# KiCad board pcb.kicad_pcb (continued)
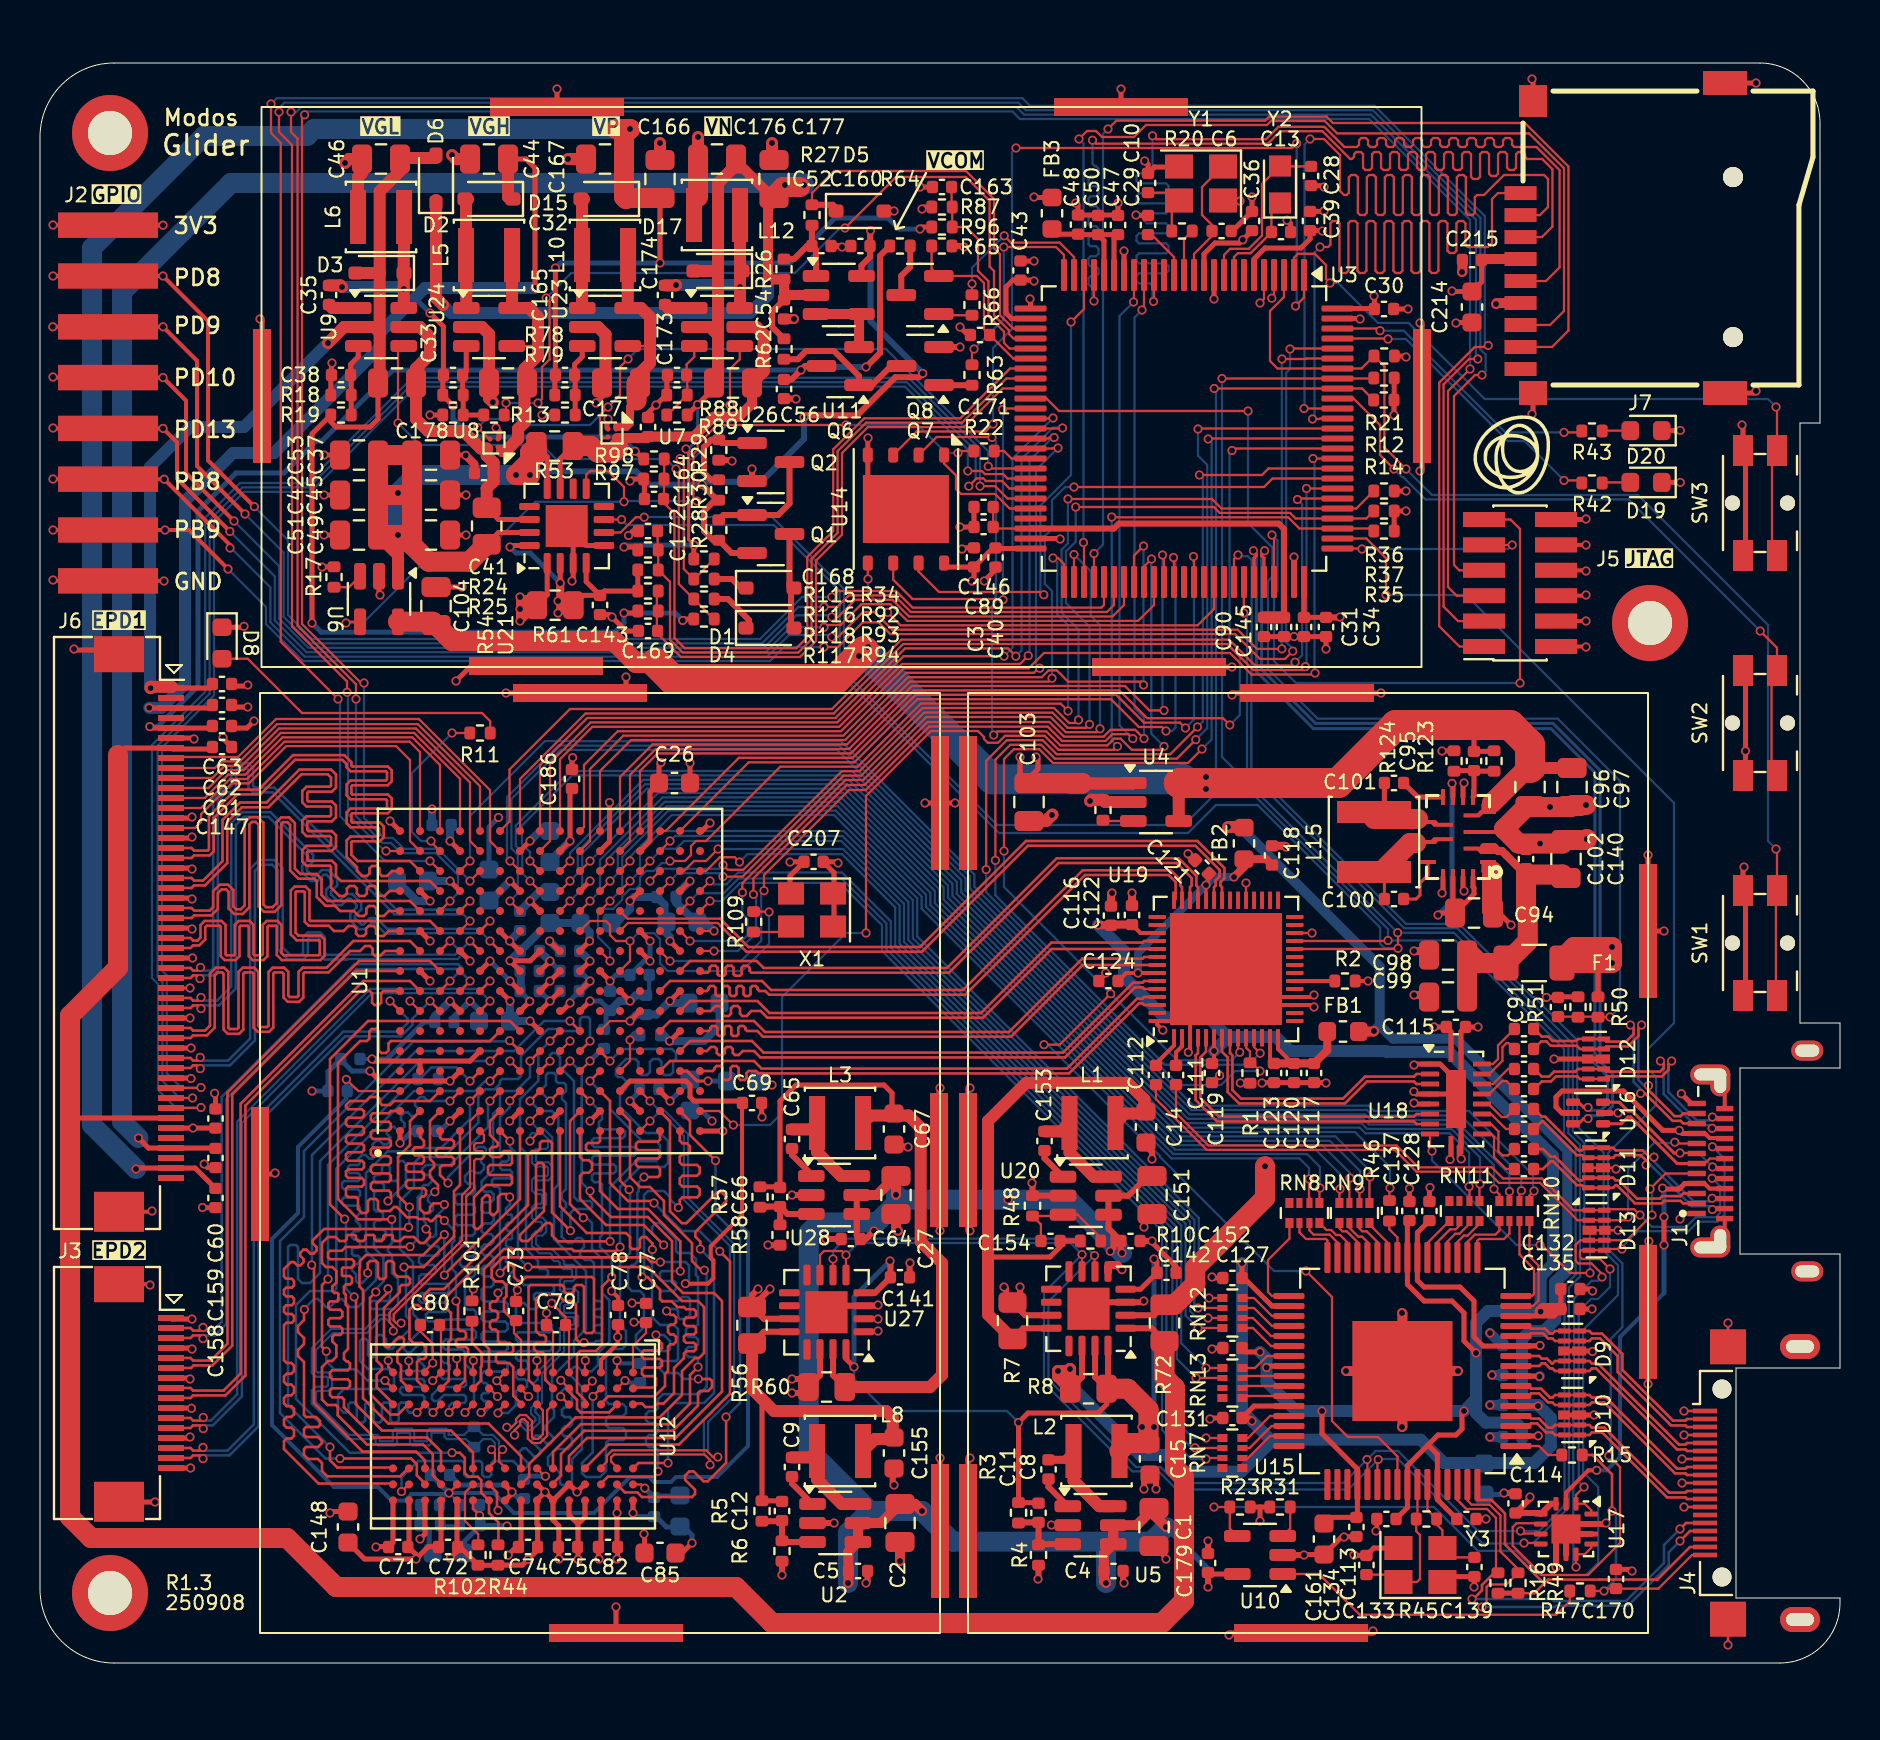
[diagram p0: board, top side]
## Routing (per net, layer and track width the routed paths; a pad name or vN(x,y) marks a point on that pad's centre or on a via; arc(x,y) is an arc through that point) (continued)
/fpga_ddr/DRAM_ADDR6: length 35.7
  Top w0.127: 18.45,8.92 18.43,8.92 v1(18.07,8.57) ; U1.H3 v1(24.5,28.1)
  Bottom w0.127: v1(24.5,28.1) 25,27.6 25.6,27.6 25.92,27.28 25.92,23.92 25.7,23.7 25.7,21.2 27.3,19.6 27.3,16.7 27.03,16.43 27.03,16.43 26.7,16.1 26.7,15.4 25.6,14.3 25.6,12.76 25.7,12.66 25.7,12.3 25.25,11.85 25.25,11.69 25.66,11.28 25.66,11.12 25.5,10.97 25.34,10.97 24.93,11.37 24.77,11.37 24.61,11.21 24.61,11.05 25.02,10.65 25.02,10.49 24.86,10.33 24.7,10.33 24.3,10.74 24.14,10.74 23.98,10.58 23.98,10.42 24.38,10.01 24.38,9.85 24.22,9.69 24.07,9.69 23.66,10.1 22.67,10.1 22.56,9.99 22.56,9.41 22.45,9.3 22.22,9.3 22.11,9.41 22.11,9.99 22,10.1 21.78,10.1 21.66,9.99 21.66,9.41 21.55,9.3 21.33,9.3 21.21,9.41 21.21,9.99 21.1,10.1 18.9,10.1 18.07,9.27 v1(18.07,8.57)
/fpga_ddr/DRAM_ADDR7: length 35.4
  Top w0.127: v1(16.39,19.5) 16.39,19.98 16.5,20.1 16.8,20.1 16.9,20 16.9,19.3 17,19.2 17.2,19.2 17.3,19.3 17.3,20 17.4,20.1 17.6,20.1 17.7,20 17.7,19.5 17.89,19.31 18.39,19.31 18.5,19.2 18.5,19 18.4,18.9 18.09,18.9 17.99,18.8 17.99,18.54 17.2,17.76 17.2,15.9 17.3,15.8 17.45,15.8 17.95,16.3 18.1,16.3 18.2,16.2 18.2,15.9 17.87,15.56 17.87,15.06 18.05,14.87 18.05,14.12 18.45,13.72 ; U1.D3 v1(20.5,28.1)
  Bottom w0.127: v1(16.39,19.5) 16.39,19.28 16.1,19 15.9,19 15.8,19.1 15.8,19.44 15.6,19.64 15.6,19.85 15.7,19.95 15.9,19.95 16,20.05 16,20.26 15.9,20.36 15.7,20.36 15.6,20.46 15.6,20.67 15.7,20.77 15.9,20.77 16,20.87 16,21.08 15.9,21.18 15.7,21.18 15.6,21.28 15.6,21.49 15.7,21.59 15.9,21.59 16,21.69 16,21.9 15.8,22.1 15.8,22.3 16,22.5 16,22.76 15.9,22.87 15.2,22.87 15.1,22.97 15.1,23.17 15.2,23.28 15.9,23.28 16,23.38 16,23.58 15.9,23.69 15.2,23.69 15.1,23.79 15.1,23.99 15.2,24.1 15.9,24.1 16,24.2 16,24.4 15.9,24.5 15.5,24.5 15.4,24.6 15.4,24.8 15.5,24.9 15.9,24.9 16,25 16,25.07 15.9,25.17 15.9,25.2 16.1,25.4 16.28,25.4 16.46,25.22 16.63,25.22 16.81,25.4 16.81,25.58 16.63,25.75 16.63,25.93 16.81,26.11 16.99,26.11 17.16,25.93 17.34,25.93 17.52,26.11 17.52,26.29 17.34,26.46 17.34,26.64 17.52,26.82 17.69,26.82 17.87,26.64 18.05,26.64 18.22,26.82 18.22,26.99 18.05,27.17 18.05,27.35 18.22,27.52 18.4,27.52 18.58,27.35 18.75,27.35 18.93,27.52 18.93,27.7 18.75,27.88 18.75,28.05 19,28.3 19.2,28.3 19.4,28.1 v1(20.5,28.1)
/fpga_ddr/DRAM_ADDR8: length 35.2
  Top w0.127: 17.65,8.97 13.92,8.97 12.2,10.7 12.2,11.09 12.33,11.22 12.56,11.22 12.7,11.36 12.7,11.63 12.56,11.76 12.33,11.76 12.2,11.9 12.2,12.17 12.33,12.3 12.56,12.3 12.7,12.44 12.7,12.71 12.56,12.84 12.33,12.84 12.2,12.98 12.2,13.25 12.33,13.38 12.56,13.38 12.7,13.52 12.7,13.79 12.56,13.92 12.33,13.92 12.2,14.06 12.2,14.33 12.33,14.46 12.56,14.46 12.7,14.6 12.7,14.87 12.56,15 12.33,15 12.2,15.14 12.2,16.9 12.31,17.01 12.59,17.01 12.7,17.12 12.7,17.34 12.59,17.45 12.31,17.45 12.2,17.56 12.2,17.78 12.31,17.89 12.59,17.89 12.7,18 12.7,18.22 12.59,18.33 12.31,18.33 12.2,18.44 12.2,18.66 12.31,18.77 12.59,18.77 12.7,18.88 12.7,19.1 12.59,19.21 12.31,19.21 12.2,19.32 12.2,19.7 12.55,20.05 12.7,20.05 12.86,19.88 13.02,19.88 13.18,20.04 13.18,20.19 13.01,20.36 13.01,20.51 13.17,20.67 13.32,20.67 13.52,20.47 13.68,20.47 13.83,20.63 13.83,20.78 13.64,20.98 13.64,21.13 14.2,21.7 18.33,21.7 18.41,21.78 ; U1.B2 18.5,27.1 18.5,25.9 17.9,25.3 17.9,23.37 v1(18.47,22.8) 18.5,22.77
  Bottom w0.127: v1(18.47,22.8) 18.47,21.84 18.41,21.78
  vias: v1(18.43,21.78)
/fpga_ddr/DRAM_ADDR9: length 35.9
  Top w0.127: 18.45,12.97 17.9,12.42 17.53,12.42 16.5,13.45 16.5,18.26 v1(16.79,18.55) ; v1(17.4,23.1) 17.54,23.24 17.54,23.51 17.44,23.62 16.65,23.62 16.54,23.73 16.54,23.94 16.65,24.05 17.44,24.05 17.54,24.16 17.54,24.37 17.44,24.48 16.65,24.48 16.54,24.59 16.54,24.8 16.65,24.91 17.44,24.91 17.54,25.02 17.54,25.23 17.44,25.34 16.65,25.34 16.54,25.45 16.54,25.66 16.65,25.77 17.44,25.77 17.54,25.88 17.54,26.09 17.44,26.2 16.65,26.2 16.54,26.31 16.54,26.52 16.65,26.63 17.44,26.63 17.54,26.74 17.54,26.95 17.44,27.06 16.65,27.06 16.54,27.17 16.54,27.38 16.65,27.49 17.44,27.49 17.54,27.6 U1.A2
  Bottom w0.127: v1(16.79,18.55) 16.79,18.69 17.17,19.07 17.17,20.3 16.7,20.77 16.7,21.09 16.81,21.2 17.19,21.2 17.3,21.32 17.3,21.55 17.19,21.66 16.81,21.66 16.7,21.78 16.7,22.01 16.81,22.12 17.03,22.12 17.15,22.24 17.15,22.47 17.03,22.58 16.81,22.58 16.7,22.7 16.7,23.5 16.8,23.6 17.1,23.6 17.2,23.7 17.2,23.9 17.1,24 16.8,24 16.7,24.1 16.7,24.3 16.8,24.4 17,24.4 17.1,24.5 17.1,24.8 17.2,24.9 17.4,24.9 17.5,24.8 17.5,24.2 17.6,24.1 17.8,24.1 17.9,24.2 17.9,25 18,25.1 18.15,25.1 18.3,24.95 18.3,24 v1(17.4,23.1)
/fpga_ddr/DRAM_ADDR10: length 35.9
  Top w0.127: v1(15.23,22.2) 14.5,22.93 14.5,30.2 16.4,32.1 23.5,32.1 U1.G6 ; 21.65,9.77 21.65,10.52 20.55,11.62 17.1,11.62 15.8,12.92 15.8,18.21 v1(15.71,18.31)
  Bottom w0.127: v1(15.23,22.2) 15.3,22.13 15.3,18.71 v1(15.71,18.31)
/fpga_ddr/DRAM_ADDR11: length 35.3
  Top w0.127: v1(13.22,17.68) 13.2,17.66 13.2,17.15 12.9,16.85 12.9,16.55 13.2,16.25 13.2,15.95 12.9,15.65 12.9,15.35 13.2,15.05 13.2,12.4 13.3,12.3 13.8,12.3 14,12.1 14,11.9 13.9,11.8 13.3,11.8 13.2,11.7 13.2,11.4 13.3,11.3 13.9,11.3 14.1,11.1 14.1,11 13.9,10.8 13.3,10.8 13.2,10.7 13.2,10.4 13.4,10.2 13.9,10.2 14.1,10 14.1,9.6 14.37,9.33 18.01,9.33 18.45,9.77 ; U1.E3 v1(21.5,28.1)
  Bottom w0.127: v1(13.22,17.68) 13.22,17.71 13.7,18.2 13.9,18.2 14.3,17.8 14.5,17.8 14.9,18.2 15.1,18.2 15.5,17.8 15.9,17.8 16.2,18.1 16.2,18.55 16.8,19.15 16.8,20.1 16.3,20.6 16.3,24.5 17.38,25.58 18.6,25.58 18.77,25.75 20.05,25.75 21.5,27.2 v1(21.5,28.1)
/fpga_ddr/DRAM_ADDR12: length 35.5
  Top w0.127: v1(18.5,20.81) 18.48,20.8 15.28,20.8 15.09,20.61 14.5,20.61 14.4,20.5 14.4,20.29 14.5,20.19 15.59,20.19 15.7,20.08 15.7,19.87 15.59,19.77 15.15,19.77 15.1,19.72 15.1,19.4 15.15,19.35 15.5,19.35 15.6,19.24 15.6,19.03 15.5,18.93 15.31,18.93 15.2,18.82 15.2,18.5 15.29,18.41 15.29,17.91 15.4,17.8 15.4,15.7 15.2,15.5 15.2,15.2 15.31,15.09 15.39,15.09 15.5,14.97 15.5,14.75 15.39,14.64 14.61,14.64 14.5,14.52 14.5,14.3 14.61,14.19 15.39,14.19 15.5,14.07 15.5,13.85 15.39,13.74 14.61,13.74 14.5,13.62 14.5,13.4 14.61,13.29 15.09,13.29 15.2,13.17 15.2,12.77 16.7,11.27 19.35,11.27 20.05,10.57 20.05,9.77 ; U1.F3 v1(22.5,28.1)
  Bottom w0.127: v1(18.5,20.81) 18.88,21.2 18.88,23.28 19.1,23.5 19.1,23.8 19.2,23.9 19.4,23.9 19.6,24.1 19.6,24.3 19.5,24.4 19.2,24.4 19.1,24.5 19.1,24.7 19.3,24.9 20.5,24.9 22.4,26.8 22.4,28 v1(22.5,28.1)
/fpga_ddr/DRAM_ADDR13: length 35.1
  Top w0.127: 17.65,12.97 16.83,13.79 16.83,14.42 17.1,14.68 17.1,14.85 16.83,15.11 16.83,17.98 17.4,18.54 v1(17.4,18.71) ; U1.F6 22.5,31.1 17.54,31.1 17.42,30.98 17.42,30.62 17.3,30.5 17.06,30.5 16.94,30.62 16.94,31.58 16.82,31.7 16.58,31.7 16.46,31.58 16.46,31.22 16.34,31.1 16,31.1 14.9,30 14.9,23.2 15.92,22.18 v1(17.58,22.18)
  Bottom w0.127: v1(17.4,18.71) 17.5,18.61 17.5,18.2 17.4,18.1 16.6,18.1 16.5,18 16.5,17.8 16.6,17.7 17.7,17.7 17.9,17.9 17.9,19.2 17.6,19.5 17.6,20.4 17.4,20.6 17.4,20.8 17.6,21 17.6,22.17 v1(17.58,22.18)
/fpga_ddr/DRAM_ADDR14: length 35.3
  Top w0.127: U1.F5 v1(22.5,30.1) ; v1(14.5,10.8) 14.5,10.14 14.86,9.77 17.65,9.77
  Bottom w0.127: v1(22.5,30.1) 19,30.1 14,25.1 14,19.5 13.5,19 13.1,19 12.9,19.2 12.9,20.8 12.8,20.9 12.5,20.9 12.4,20.8 12.4,12.9 v1(14.5,10.8)
/fpga_ddr/DRAM_BA0: length 35
  Top w0.127: v1(20.8,18.1) 20.9,18 20.9,16.7 21,16.6 21.2,16.6 21.3,16.5 21.3,16.3 21.2,16.2 20.9,16.2 20.8,16.1 20.8,15.9 20.9,15.8 21.3,15.8 21.4,15.7 21.4,15.45 21.25,15.3 21.25,14.12 20.85,13.72 ; U1.C3 19.5,28.1 17.7,28.1 17.5,27.9 17.1,27.9 17,28 17,28.2 16.9,28.3 16.5,28.3 16.3,28.1 15.5,28.1 15.3,27.9 15.3,27.8 15.41,27.69 16.09,27.69 16.2,27.58 16.2,27.37 16.09,27.26 15.41,27.26 15.3,27.15 15.3,26.94 15.41,26.83 16.09,26.83 16.2,26.72 16.2,26.51 16.09,26.4 15.41,26.4 15.3,26.29 15.3,26.08 15.41,25.97 16.09,25.97 16.2,25.86 16.2,25.65 16.09,25.54 15.41,25.54 15.3,25.43 15.3,25.22 15.41,25.11 16.09,25.11 16.2,25 16.2,24.79 16.09,24.68 15.41,24.68 15.3,24.57 15.3,24.36 15.41,24.25 16.09,24.25 16.2,24.14 16.2,23.93 16.09,23.82 15.41,23.82 15.3,23.71 15.3,23.4 15.4,23.3 15.8,23.3 15.9,23.2 15.9,22.7 16.1,22.5 16.3,22.5 16.4,22.6 16.4,23.1 16.5,23.2 16.8,23.2 16.9,23.1 16.9,22.7 17,22.6 17.5,22.6 17.7,22.8 17.84,22.8 18.35,22.29 18.84,22.29 18.93,22.2 19.4,22.2 19.5,22.1 19.6,22.1 19.85,22.35 19.99,22.35 v1(20.22,22.12)
  Bottom w0.127: v1(20.8,18.1) 20.8,19.51 20.6,19.71 20.6,21 20.72,21.11 20.72,21.62 v1(20.22,22.12)
/fpga_ddr/DRAM_BA1: length 35
  Top w0.127: 20.05,8.97 19.64,9.38 19.64,10.44 19.15,10.92 16.35,10.92 14.89,12.39 14.89,12.81 14.8,12.9 14.38,12.9 14.1,13.17 14.1,14.8 14.4,15.1 14.6,15.1 14.82,15.31 14.82,15.88 14.62,16.08 14.62,16.3 14.72,16.4 15.01,16.4 15.12,16.51 15.12,16.72 15.01,16.82 14.52,16.82 14.42,16.93 14.42,17.14 14.52,17.24 15.01,17.24 15.12,17.35 15.12,17.56 15.01,17.66 14.52,17.66 14.42,17.77 14.42,17.98 14.52,18.08 14.87,18.08 14.92,18.13 14.92,18.45 14.87,18.5 14.72,18.5 14.62,18.6 14.62,18.82 14.82,19.02 14.82,19.6 14.62,19.8 14.3,19.8 14.1,20 14.1,21 14.4,21.3 14.78,21.3 14.98,21.1 15.24,21.1 15.34,21.2 15.34,21.35 15.39,21.4 15.75,21.4 15.8,21.35 15.8,21.2 15.9,21.1 16.16,21.1 16.26,21.2 16.26,21.35 16.31,21.4 16.67,21.4 16.72,21.35 16.72,21.2 16.82,21.1 17.08,21.1 17.18,21.2 17.18,21.35 17.23,21.4 17.59,21.4 17.64,21.35 17.64,21.2 17.74,21.1 18,21.1 18.2,21.3 18.7,21.3 19,21 19.2,21 19.5,21.3 19.5,21.5 v1(19.3,21.7) ; U1.C2 19.5,27.1 19.5,25.2 19.7,25 19.7,24.8 19.5,24.6 19.5,24.3 19.9,23.9 19.9,23.71 v1(19.74,23.56)
  Bottom w0.127: v1(19.74,23.56) 19.66,23.56 19.4,23.3 19.4,23.1 19.65,22.85 19.65,22.65 19.5,22.5 19.3,22.5 19.2,22.4 19.2,22.1 19.3,22 v1(19.3,21.7)
/fpga_ddr/DRAM_BA2: length 35.9
  Top w0.127: v1(20.22,22.93) 20.16,22.98 19.68,22.98 19.5,22.8 19.5,22.6 19.4,22.5 19.2,22.5 19,22.7 19,23.23 19.1,23.33 19.2,23.33 19.3,23.43 19.3,23.64 19.2,23.74 18.4,23.74 18.3,23.84 18.3,24.05 18.4,24.15 19.1,24.15 19.2,24.25 19.2,24.46 19.1,24.56 18.4,24.56 18.3,24.66 18.3,24.87 18.4,24.97 19.1,24.97 19.2,25.07 19.2,25.28 19.1,25.38 18.75,25.38 18.65,25.48 18.65,25.69 18.75,25.79 19.1,25.79 19.2,25.89 19.2,26.1 19,26.3 U1.B1 ; 20.85,12.97 20.85,12.92 v1(20.45,12.52)
  Bottom w0.127: v1(20.45,12.52) 20.45,12.85 20.6,13 21.2,13 21.3,13.1 21.3,13.3 21.2,13.4 20.2,13.4 19.9,13.1 19.7,13.1 19.6,13.2 19.6,13.4 20,13.8 21.2,13.8 21.3,13.9 21.3,14.1 21.2,14.2 20.14,14.2 20,14.34 20,14.5 20.1,14.6 20.4,14.6 20.5,14.7 20.5,14.87 20.37,15 20.2,15 20.05,15.15 20.05,15.35 19.9,15.5 19.7,15.5 19.6,15.6 19.6,16.6 19.8,16.8 19.8,16.96 19.68,17.08 19.42,17.08 19.3,17.2 19.3,17.43 19.42,17.55 20.28,17.55 20.4,17.67 20.4,17.9 20.28,18.02 19.07,18.02 18.95,18.14 18.95,18.37 19.07,18.49 20.33,18.49 20.45,18.61 20.45,18.84 20.33,18.96 19.07,18.96 18.95,19.08 18.95,19.31 19.07,19.43 19.68,19.43 19.8,19.55 19.8,19.78 19.68,19.9 19.07,19.9 18.95,20.02 18.95,20.25 19.07,20.37 19.88,20.37 19.95,20.44 19.95,20.76 19.88,20.84 19.47,20.84 19.35,20.96 19.35,21.19 19.47,21.31 19.68,21.31 19.8,21.43 19.8,22.33 20.22,22.74 v1(20.22,22.93)
/fpga_ddr/DRAM_CASB: length 35.1
  Top w0.127: v1(22.05,12.52) 22.45,12.92 22.45,12.97 ; v1(24.5,30.1) U1.H5
  Bottom w0.127: v1(22.05,12.52) 22.22,12.52 22.5,12.8 22.5,13 22.4,13.1 22.2,13.1 22.08,13.22 22.08,13.4 22.18,13.5 22.4,13.5 22.5,13.6 22.5,13.8 22.3,14 22.18,14 22.08,14.1 22.08,14.45 22.21,14.57 23.26,14.57 23.38,14.7 23.38,14.95 23.26,15.07 22.21,15.07 22.08,15.2 22.08,15.45 22.21,15.57 23.26,15.57 23.38,15.7 23.38,15.95 23.26,16.07 22.21,16.07 22.08,16.2 22.08,16.45 22.21,16.57 23.26,16.57 23.38,16.7 23.38,16.95 23.26,17.07 22.21,17.07 22.08,17.2 22.08,17.45 22.21,17.57 23.26,17.57 23.38,17.7 23.38,17.95 23.26,18.07 22.21,18.07 22.08,18.2 22.08,18.66 22.21,18.8 22.55,18.8 22.68,18.93 22.68,19.19 22.55,19.33 22.21,19.33 22.08,19.46 22.08,19.72 22.21,19.86 22.55,19.86 22.68,19.99 22.68,20.25 22.55,20.39 22.21,20.39 22.08,20.52 22.08,20.78 22.21,20.92 22.55,20.92 22.68,21.05 22.68,21.31 22.55,21.45 22.21,21.45 22.08,21.58 22.08,21.84 22.21,21.98 22.55,21.98 22.68,22.11 22.68,22.37 22.55,22.51 22.21,22.51 22.08,22.64 22.08,22.9 22.21,23.04 22.55,23.04 22.68,23.17 22.68,23.43 22.55,23.57 22.21,23.57 22.08,23.7 22.08,24.08 22.65,24.65 22.65,27.45 23,27.8 23,28.4 23.2,28.6 23.8,28.6 24.5,29.3 v1(24.5,30.1)
/fpga_ddr/DRAM_CKE: length 38.2
  Top w0.127: v1(20.6,10.51) 20.98,10.51 21.24,10.26 21.24,9.5 21.42,9.31 21.88,9.31 22.06,9.14 22.06,8.51 22.45,8.12 22.45,7.5 22.92,7.03 22.92,5.91 ; U1.F4 v1(22.5,29.1)
  Bottom w0.127: v1(20.6,10.51) 15.48,10.51 12.8,13.2 12.8,17.9 13.5,18.6 14.7,18.6 14.82,18.71 14.82,24.71 18.7,28.6 21.76,28.6 22.26,29.1 v1(22.5,29.1)
/fpga_ddr/DRAM_CKN: length 36.1
  Top w0.11: v1(22.58,10.67) 22.75,10.5 22.75,10.07 22.45,9.77 ; v1(18.05,16.99) 17.81,16.99 17.69,17.12 17.69,17.44 21.31,21.06 21.31,23.31 21.71,23.71 21.71,25.11 21.8,25.2 22.1,25.2 22.2,25.3 22.2,25.5 22.1,25.6 21.81,25.6 21.71,25.7 21.71,25.91 21.8,26 22.1,26 22.2,26.1 22.2,26.4 U1.E1
  Bottom w0.11: v1(22.58,10.67) 22.75,10.84 22.75,11.01 22.56,11.19 22.16,11.19 21.75,10.79 21.7,10.79 21.3,11.19 20.35,11.19 20.22,11.32 20.22,11.51 19.57,11.51 19.57,11 19.45,10.88 18.63,10.88 18.5,11 18.5,11.51 17.85,11.51 17.85,11 17.73,10.88 16.91,10.88 16.78,11 16.78,11.19 15.36,11.19 13.59,12.96 13.59,13.62 13.79,13.82 14.32,13.82 14.39,13.89 14.39,14.24 14.32,14.32 13.79,14.32 13.59,14.51 13.59,15.74 14.56,16.7 16.26,16.7 16.96,17.4 17.4,17.4 17.81,16.99 v1(18.05,16.99)
/fpga_ddr/DRAM_CKP: length 35.8
  Top w0.11: 23.25,9.77 22.95,10.07 22.95,10.5 v1(23.12,10.67) ; U1.E2 21.5,27.1 21.5,23.8 21.1,23.4 21.1,21.15 17.48,17.52 17.48,17.03 17.67,16.84 v1(17.67,16.6)
  Bottom w0.11: v1(17.67,16.6) 17.67,16.84 17.32,17.19 17.04,17.19 16.34,16.49 14.64,16.49 13.8,15.65 13.8,14.6 13.87,14.53 14.41,14.53 14.61,14.33 14.61,13.8 14.41,13.61 13.87,13.61 13.8,13.53 13.8,13.05 15.44,11.4 16.87,11.4 16.99,11.28 16.99,11.09 17.64,11.09 17.64,11.6 17.77,11.72 18.59,11.72 18.71,11.6 18.71,11.09 19.36,11.09 19.36,11.6 19.49,11.72 20.31,11.72 20.43,11.6 20.43,11.4 21.2,11.4 21.61,11.81 21.75,11.81 22.16,11.4 22.64,11.4 22.95,11.09 22.95,10.84 v1(23.12,10.67)
/fpga_ddr/DRAM_CSB: length 3.7
  Top w0.127: 21.65,13.72 22.04,14.11 22.04,14.8 22.08,14.84 22.08,15.52 21.6,16 21.6,17.09
/fpga_ddr/DRAM_DATA0: length 31.3
  Top w0.127: v1(27.16,22.26) 27.16,22.28 26.5,22.94 26.5,27.1 U1.K2 ; v1(26.03,13.32) 26.05,13.32 26.45,12.92
  Bottom w0.127: v1(26.03,13.32) 26.03,13.53 26.3,13.8 26.5,13.8 26.6,13.7 26.6,12.9 26.48,12.78 26.22,12.78 26.1,12.66 26.1,12.42 26.22,12.3 26.48,12.3 26.6,12.18 26.6,11.94 26.48,11.82 26.22,11.82 26.1,11.7 26.1,11.46 26.22,11.34 26.48,11.34 26.6,11.22 26.6,10.9 26.4,10.7 25.8,10.7 25.4,10.3 25.4,9.9 25.6,9.7 25.8,9.7 26,9.5 26,9 26.1,8.9 26.4,8.9 26.6,9.1 26.6,10.2 27.1,10.7 27.1,13.8 26.5,14.4 26.5,14.6 26.7,14.8 26.9,14.8 27.11,14.59 27.59,14.59 27.9,14.9 27.9,15.5 28.47,16.07 28.47,18.13 28.42,18.18 28.41,18.18 28.1,18.5 28.1,20.2 27.6,20.7 27.6,22 27.34,22.26 v1(27.16,22.26)
/fpga_ddr/DRAM_DATA1: length 31.8
  Top w0.127: v1(31.18,20.9) 30.18,21.9 28.3,21.9 27,23.2 27,24.35 27.16,24.51 27.44,24.51 27.6,24.67 27.6,24.98 27.44,25.14 27.16,25.14 27,25.3 U1.K1 ; 25.65,9.77 25.65,10.55 27.04,11.94 31.47,11.94 32.5,12.97 32.5,14.4 v1(32.9,14.8)
  Bottom w0.127: v1(31.18,20.9) 30.6,21.48 30.6,21.8 30.8,22 31,22 31.8,21.2 31.8,20.6 31.9,20.5 32.5,20.5 32.8,20.2 32.8,19.4 32.9,19.3 32.9,16.93 32.78,16.8 32.42,16.8 32.3,16.68 32.3,16.43 32.42,16.3 32.78,16.3 32.9,16.18 32.9,15.93 32.78,15.8 32.42,15.8 32.3,15.68 32.3,15.43 32.42,15.3 32.78,15.3 32.9,15.18 v1(32.9,14.8)
/fpga_ddr/DRAM_DATA2: length 31.3
  Top w0.127: v1(27.2,16.01) 26.98,16.01 26.8,16.2 26.8,17.9 26.6,18.1 26.2,18.1 25.89,18.41 25.01,18.41 24.8,18.2 24.8,16.6 25,16.4 25.2,16.4 25.3,16.3 25.3,16.1 25.2,16 24.8,16 24.7,15.9 24.7,15.7 24.86,15.54 25.12,15.54 25.26,15.4 25.26,14.16 25.65,13.77 ; U1.J3 v1(25.5,28.1)
  Bottom w0.127: v1(27.2,16.01) 27.22,16 27.7,16 27.8,16.1 28,16.1 28.1,16.2 28.1,16.4 28,16.5 27.8,16.5 27.7,16.6 27.7,16.8 27.8,16.9 28,16.9 28.1,17 28.1,17.2 28,17.3 27.8,17.3 27.7,17.4 27.7,17.6 27.8,17.7 28,17.7 28.1,17.8 28.1,18 28,18.1 27.8,18.1 27.7,18.2 27.7,20 27.55,20.15 27.25,20.15 27,20.4 27,20.6 27.2,20.8 27.2,21.1 27.05,21.25 26.85,21.25 26.6,21 26.4,21 26.08,21.31 26.08,22.58 26.3,22.8 26.3,23 26.1,23.2 26.08,23.2 26.08,23.48 26.3,23.7 26.3,28 26.1,28.2 26.1,28.4 26.3,28.6 26.3,28.9 26.2,29 25.9,29 25.8,29.1 25.8,29.4 25.7,29.5 25.4,29.5 25.3,29.4 25.3,28.9 25.1,28.7 25.1,28.5 v1(25.5,28.1)
/fpga_ddr/DRAM_DATA3: length 32.3
  Top w0.127: 25.65,8.97 26.05,9.37 26.05,10.45 27.21,11.61 31.64,11.61 32.9,12.87 32.9,13.5 33,13.6 33.4,13.6 33.6,13.8 33.6,14.1 33.5,14.2 v1(32.92,14.2) ; U1.J1 26,22.84 27.34,21.5 29.3,21.5 29.5,21.3 29.5,20.8 29.6,20.7 29.9,20.7 30,20.8 30,21.2 30.1,21.3 30.3,21.3 30.62,20.98 v1(30.62,20.67)
  Bottom w0.127: v1(32.92,14.2) 32.2,14.2 31.9,14.5 31.2,14.5 31,14.7 31,15 31.1,15.1 31.8,15.1 31.9,15.2 31.9,16.7 31.7,16.9 31,16.9 30.6,17.3 30.6,20.66 v1(30.62,20.67)
/fpga_ddr/DRAM_DATA4: length 32.2
  Top w0.127: v1(22.9,18.5) 22.9,18.2 22.78,18.08 22.62,18.08 22.5,17.96 22.5,17.73 22.62,17.61 22.78,17.61 22.9,17.49 22.9,17.26 22.78,17.14 22.62,17.14 22.5,17.02 22.5,16.79 22.62,16.67 22.78,16.67 22.9,16.55 22.9,16.1 23,16 23.5,16 23.66,15.84 23.66,15.6 23.56,15.5 22.9,15.5 22.8,15.4 22.8,15.1 22.9,15 23.46,15 23.66,14.8 23.66,13.36 24.05,12.97 ; v1(23.48,23.3) 23.33,23.45 23.05,23.45 22.9,23.3 22.9,22.6 22.7,22.4 22.6,22.4 22.5,22.5 22.5,23.3 22.4,23.4 22.3,23.4 22.1,23.2 22.1,21.9 21.9,21.7 21.8,21.7 21.7,21.8 21.7,23.3 22.3,23.9 23.5,23.9 23.6,24 23.6,24.3 23.5,24.4 22.5,24.4 22.4,24.5 22.4,24.8 22.5,24.9 23.5,24.9 23.6,25 23.6,25.5 23.5,25.6 23.2,25.6 23.1,25.5 23.1,25.4 23,25.3 22.6,25.3 22.5,25.4 22.5,25.7 22.6,25.8 22.8,25.8 22.9,25.9 22.9,26 22.5,26.4 22.5,27.1 U1.F2
  Bottom w0.127: v1(23.48,23.3) 23.5,23.28 23.5,22.93 23.3,22.73 23.3,22.52 23.4,22.42 23.55,22.42 23.6,22.37 23.6,22.06 23.55,22.01 23.4,22.01 23.3,21.91 23.3,21.7 23.4,21.6 23.55,21.6 23.6,21.55 23.6,21.24 23.55,21.19 23.4,21.19 23.3,21.09 23.3,20.88 23.4,20.78 23.55,20.78 23.6,20.73 23.6,20.42 23.55,20.37 23.4,20.37 23.3,20.27 23.3,20.06 23.4,19.96 23.6,19.96 23.7,19.86 23.7,19.65 23.5,19.45 23.5,19.1 v1(22.9,18.5)
/fpga_ddr/DRAM_DATA5: length 32.3
  Top w0.127: v1(24.4,19.8) 30.4,19.8 32.1,18.1 32.9,18.1 33.2,17.8 33.2,15.5 32.95,15.25 32.75,15.25 32.1,14.6 32.1,13.4 30.98,12.28 26.78,12.28 24.46,9.96 24.46,9.33 24.05,8.92 ; U1.F1 23.49,26.11 v1(23.49,26.1)
  Bottom w0.127: v1(23.49,26.1) 23.49,25.81 23.9,25.4 23.9,20.3 v1(24.4,19.8)
/fpga_ddr/DRAM_DATA6: length 31.5
  Top w0.127: U1.G3 23.98,28.6 v1(23.49,28.11) ; 24.85,13.72 24.85,13.74 24.44,14.15 24.44,14.94 24.43,14.95 24.43,18.8 24.53,18.9 26.1,18.9 26.2,18.8 26.2,18.6 26.3,18.5 26.6,18.5 26.7,18.6 26.7,18.8 26.8,18.9 27.1,18.9 27.2,18.8 27.2,16.6 27.3,16.5 27.6,16.5 27.7,16.6 27.7,19.2 27.6,19.3 24.3,19.3 24.1,19.1 23.9,19.1 23.7,19.3 23.7,19.8 23.6,19.9 23.4,19.9 v1(23,19.5)
  Bottom w0.127: v1(23.49,28.11) 23.49,27.79 23,27.3 23,25.6 23.11,25.49 23.34,25.49 23.45,25.39 23.45,25.18 23.34,25.07 23.11,25.07 23,24.97 23,24.76 23.11,24.65 23.5,24.65 23.6,24.55 23.6,24.34 23.5,24.23 22.7,24.23 22.6,24.13 22.6,23.92 22.7,23.81 22.89,23.81 23,23.71 v1(23,19.5)
/fpga_ddr/DRAM_DATA7: length 32.4
  Top w0.127: 20.23,21.47 19.15,20.4 16.3,20.4 16,20.1 16,19.8 15.97,19.77 15.97,18.83 16.15,18.65 16.15,13.24 17.41,11.97 22.42,11.97 24.05,10.35 24.05,9.77 ; 20.23,21.47 20.3,21.55 ; 20.23,21.47 20.22,21.46 v1(20.22,21.42) ; U1.G1 24,23.2 20.22,19.42 v1(20.22,19.39)
  Bottom w0.127: v1(20.22,21.42) 20.22,19.4 v1(20.22,19.39)
/fpga_ddr/DRAM_DATA8: length 27.8
  Top w0.127: v1(33.99,20.59) 34.5,20.07 34.5,13.47 31.95,10.92 28.42,10.92 27.28,9.77 27.25,9.77 ; U1.L3 28.5,28.1 28.5,24 29.4,23.1 30.6,23.1 v1(30.7,23)
  Bottom w0.127: v1(33.99,20.59) 32.98,21.6 32.1,21.6 v1(30.7,23)
/fpga_ddr/DRAM_DATA9: length 27
  Top w0.127: v1(32.02,19.6) 32.02,21.08 30.4,22.7 28.9,22.7 28,23.6 28,25.5 27.9,25.6 27.4,25.6 27.3,25.7 27.3,25.9 27.4,26 27.9,26 28,26.1 U1.L1 ; v1(31.33,17.6) 31.52,17.41 31.68,17.41 31.8,17.28 31.8,17.04 31.68,16.92 31.52,16.92 31.4,16.79 31.4,16.55 31.52,16.43 31.68,16.43 31.8,16.3 31.8,16.06 31.68,15.94 31.52,15.94 31.4,15.81 31.4,14.6 31.25,14.45 31.25,13.85 30.73,13.33 28.41,13.33 28.05,12.97
  Bottom w0.127: v1(32.02,19.6) 31.1,19.6 31,19.5 31,19.2 31.1,19.1 31.7,19.1 31.8,19 31.8,18.7 31.7,18.6 31.1,18.6 31,18.5 31,18.2 31.1,18.1 31.9,18.1 32.1,18.3 32.4,18.3 32.5,18.2 32.5,17.4 32.3,17.2 32,17.2 31.9,17.3 31.9,17.6 31.8,17.7 31.43,17.7 v1(31.33,17.6)
/fpga_ddr/DRAM_DATA10: length 27.1
  Top w0.127: v1(30.9,9.58) 30.9,9.53 30.69,9.32 28.4,9.32 28.05,8.97 ; v1(33.22,19.64) 33.06,19.64 32.6,20.1 32.6,21 31.2,22.4 31.2,23.1 30.5,23.8 30,23.8 29.5,24.3 29.5,27.1 U1.M2
  Bottom w0.127: v1(33.22,19.64) 33.33,19.53 33.33,13.81 32.96,13.44 31.14,13.44 30.9,13.2 30.9,12.75 30.75,12.6 30.45,12.6 30.3,12.45 30.3,12.15 30.45,12 30.75,12 30.9,11.85 30.9,11.55 30.75,11.4 30.45,11.4 30.3,11.25 30.3,10.95 30.45,10.8 30.75,10.8 30.9,10.65 v1(30.9,9.58)
/fpga_ddr/DRAM_DATA11: length 27.5
  Top w0.127: U1.M1 29,24.12 v1(29.45,23.67) ; 27.63,13.32 28.03,13.72 28.05,13.72
  Bottom w0.127: 27.63,13.32 27.63,10.53 27.1,10 27.1,9.5 27.3,9.3 28,9.3 28.3,9.6 28.3,11 28.45,11.15 29.15,11.15 29.3,11.3 29.3,11.6 29.15,11.75 28.45,11.75 28.3,11.9 28.3,12.2 28.45,12.35 29.15,12.35 29.3,12.5 29.3,12.8 29.15,12.95 28.45,12.95 28.3,13.1 28.3,15.3 28.7,15.7 29.1,15.7 29.3,15.9 29.3,16.6 29,16.9 29,20 29.5,20.5 29.5,23.62 v1(29.45,23.67)
  vias: v1(27.65,13.33)
/fpga_ddr/DRAM_DATA12: length 27.1
  Top w0.127: v1(31.4,10) 29.92,10 29.65,9.72 ; U1.P2 31.5,27.1 31.5,22.59 32.09,21.99 32.32,21.99 33.86,23.54 34.09,23.54 34.31,23.32 34.31,23.09 32.76,21.55 32.76,21.33 33.02,21.07 v1(33.02,20.7)
  Bottom w0.127: 33.05,20.7 v1(33.02,20.7) 33.7,20.01 33.7,13.5 33.2,13 31.7,13 31.4,12.7 v1(31.4,10)
/fpga_ddr/DRAM_DATA13: length 27.1
  Top w0.127: v1(30.2,24.3) 30.9,24.3 31,24.4 31,24.7 30.89,24.8 29.91,24.8 29.8,24.91 29.8,25.12 29.91,25.22 30.89,25.22 31,25.33 31,25.54 30.89,25.64 29.91,25.64 29.8,25.75 29.8,25.96 29.91,26.06 30.89,26.06 31,26.17 U1.P1 ; v1(30.8,16.4) 30.8,16.17 30.91,16.06 30.99,16.06 31.1,15.95 31.1,15.74 30.99,15.63 30.21,15.63 30.1,15.52 30.1,15.31 30.21,15.2 30.99,15.2 31.1,15.09 31.1,14.88 30.99,14.77 30.21,14.77 30.1,14.66 30.1,14.45 30.21,14.34 30.69,14.34 30.8,14.23 30.8,13.9 30.67,13.77 29.65,13.77
  Bottom w0.127: v1(30.2,24.3) 29.93,24.03 29.93,23.58 29.87,23.52 29.87,20.07 29.7,19.9 29.6,19.9 29.4,19.7 29.4,18.8 29.6,18.6 30,18.6 30.2,18.4 30.2,16.8 29.8,16.4 29.8,15.8 30,15.6 31.4,15.6 31.5,15.7 31.5,16.1 31.2,16.4 v1(30.8,16.4)
/fpga_ddr/DRAM_DATA14: length 27.2
  Top w0.127: v1(34.3,12.3) 34.31,12.29 34.31,10 33.39,9.09 33.17,9.09 32.68,9.58 32.47,9.58 32.26,9.37 32.26,9.16 32.75,8.66 32.75,8.45 32.6,8.3 30.1,8.3 29.87,8.53 29.24,8.53 28.85,8.92 ; U1.R2 32.5,27.1 32.5,26.4 v1(33.78,25.12)
  Bottom w0.127: v1(34.3,12.3) 35,13 35,21.25 33.78,22.47 v1(33.78,25.12)
/fpga_ddr/DRAM_DATA15: length 27.1
  Top w0.127: v1(30.1,19.3) 30.37,19.3 31,18.67 31,18.2 31.12,18.08 31.58,18.08 31.87,17.8 32.2,17.8 32.31,17.69 32.69,17.69 32.8,17.58 32.8,17.38 32.69,17.27 32.31,17.27 32.2,17.17 32.2,16.95 32.31,16.85 32.69,16.85 32.8,16.75 32.8,16.53 32.69,16.43 32.31,16.43 32.2,16.33 32.2,16.11 32.31,16.01 32.69,16.01 32.8,15.91 32.8,15.69 32.69,15.59 32.31,15.59 32.2,15.48 32.2,15.25 31.7,14.75 31.7,13.5 31.17,12.97 30.88,12.97 30.7,12.8 30.28,12.8 30.1,12.97 29.65,12.97 ; U1.R1 31.99,26.59 31.99,26.12 32.12,25.98 32.35,25.98 32.49,25.85 32.49,25.58 32.35,25.44 32.12,25.44 31.99,25.31 31.99,25.04 32.12,24.9 32.85,24.9 32.99,24.77 32.99,24.5 32.85,24.36 32.12,24.36 31.99,24.23 31.99,23.96 32.12,23.82 32.85,23.82 32.99,23.69 32.99,23.42 32.85,23.28 32.12,23.28 31.99,23.15 31.99,22.81 31.96,22.81 v1(31.92,22.77)
  Bottom w0.127: v1(30.1,19.3) 30.1,19.4 30.2,19.5 30.2,23.4 30.4,23.6 31.2,23.6 31.5,23.3 31.5,23.19 v1(31.92,22.77)
/fpga_ddr/DRAM_LDM: length 31.9
  Top w0.127: 26.45,9.77 26.45,10.35 27.35,11.25 31.78,11.25 34.1,13.57 34.1,18.1 33.7,18.5 32.15,18.5 31.6,19.05 31.6,21.1 30.4,22.3 28.54,22.3 27.5,23.34 v1(27.5,23.6) ; U1.J4 v1(26.5,30.1)
  Bottom w0.127: v1(27.5,23.6) 27.08,24.01 27.08,29.51 v1(26.5,30.1)
/fpga_ddr/DRAM_LDQSN: length 31.3
  Top w0.11: v1(23.34,11.79) 23.58,11.79 23.8,12 23.8,12.2 24,12.4 24.3,12.4 24.6,12.1 24.6,11.31 24.7,11.21 24.91,11.21 25.14,11.44 25.14,12.63 24.85,12.92 24.85,12.97 ; U1.H1 v1(24.5,26.1)
  Bottom w0.11: v1(24.5,26.1) 24.5,26.4 24.59,26.49 25.11,26.49 25.4,26.2 25.4,25.8 25.3,25.7 24.8,25.7 24.59,25.49 24.59,25.01 24.79,24.82 25.33,24.82 25.4,24.75 25.4,24.41 25.33,24.34 24.79,24.34 24.59,24.15 24.59,23.63 24.79,23.44 25.03,23.44 25.1,23.37 25.1,23.03 25.03,22.96 24.79,22.96 24.59,22.77 24.59,22.25 24.79,22.06 25.03,22.06 25.1,21.99 25.1,21.65 25.03,21.58 24.79,21.58 24.59,21.39 24.59,20.86 24.96,20.49 25.51,20.49 25.6,20.4 25.6,20.2 25.7,20.1 25.9,20.1 26,20 26,19.86 26.16,19.7 26.56,19.7 26.6,19.65 26.6,19.35 26.56,19.31 26.16,19.31 26,19.14 26,18.66 26.16,18.5 26.66,18.5 26.7,18.45 26.7,18.15 26.66,18.11 26.16,18.11 26,17.94 26,17.46 26.16,17.3 26.66,17.3 26.7,17.25 26.7,16.95 26.66,16.91 26.16,16.91 26,16.74 26,15.67 24.89,14.56 24.89,14.19 24.7,14 24.7,13.79 24.89,13.6 24.89,13.09 24.55,12.76 24.55,12.46 24.77,12.24 24.77,12.12 24.5,11.85 24.37,11.85 24.16,12.06 23.86,12.06 23.58,11.79 v1(23.34,11.79)